# Allegro board parallella_gen1.brd (continued)
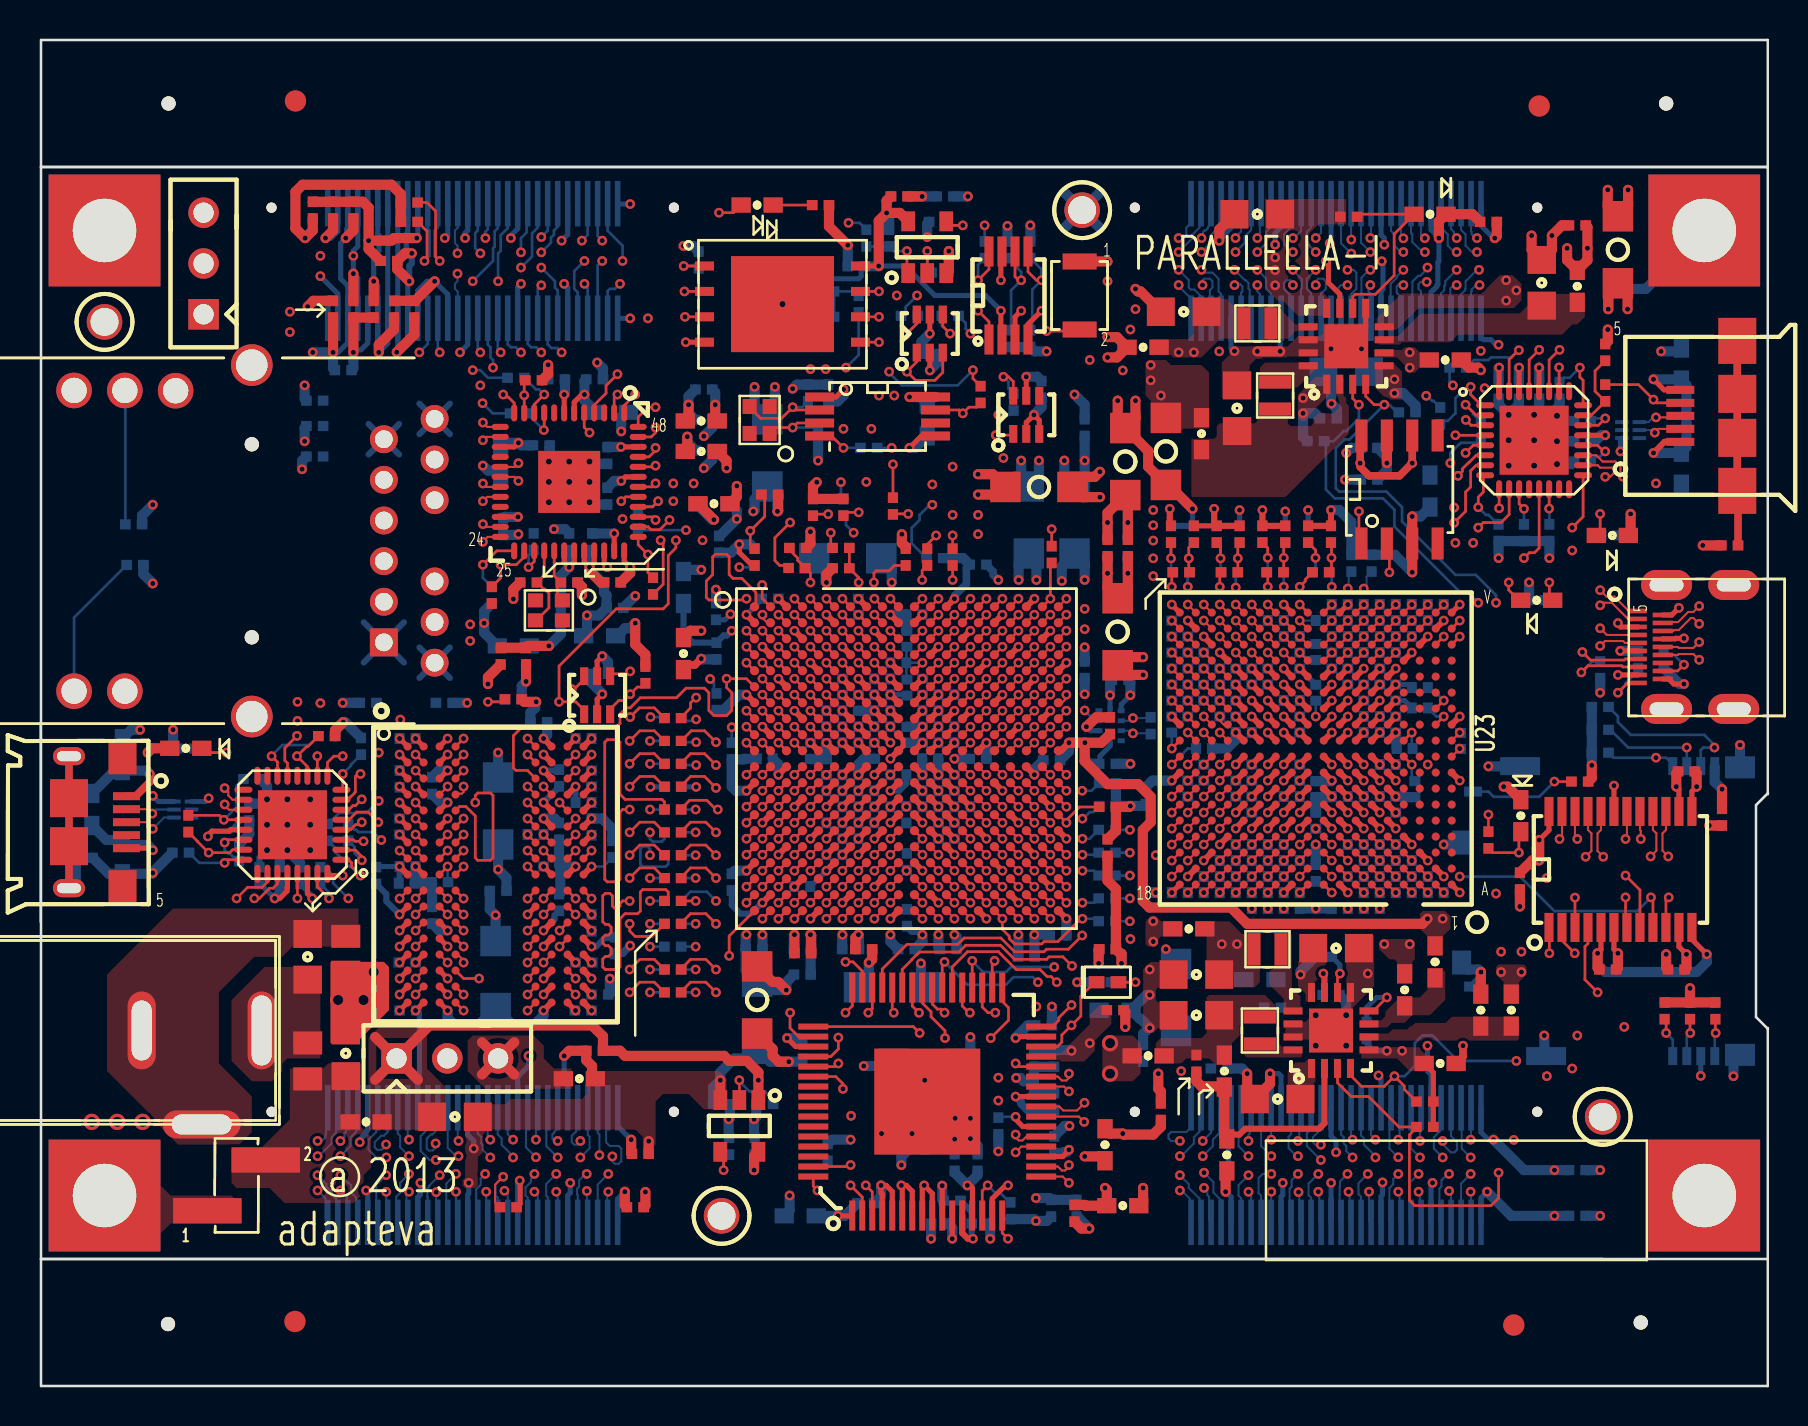
[diagram p0: board, top side]
## Routing (per net, layer and track width the routed paths; a pad name or vN(x,y) marks a point on that pad's centre or on a via; arc(x,y) is an arc through that point) (continued)
DDR_DQ17: length 22.1
  TOP w0.133: U20.M9 v1(24.39,22.78) ; U2.P3 v1(36.93,28.17)
  L10_SIG w0.108: v1(24.39,22.78) 24.14,22.78 22.41,24.51 22.41,26.54 23.04,27.17 27.86,27.17 29.12,28.43 34.08,28.43 34.22,28.57 37.14,28.57 37.26,28.44 37.26,28.3 37.14,28.17 v1(36.93,28.17)
DDR_DQ18: length 21.7
  TOP w0.133: U2.R3 v1(36.93,27.37) ; U20.N11 v1(25.99,21.98)
  L10_SIG w0.108: v1(25.99,21.98) 26.18,22.17 26.24,22.17 26.34,22.27 26.77,22.27 27.19,22.69 27.19,23.79 27,23.98 26.62,23.98 26.22,24.38 25.71,24.38 25.58,24.51 25.58,25.02 25.71,25.15 26.09,25.15 26.34,24.89 26.6,24.89 26.85,25.15 27.99,25.15 28.99,26.15 29.97,26.15 30.11,26.29 30.11,26.8 30.25,26.94 31.17,26.94 31.3,26.81 31.3,25.91 31.42,25.78 31.93,25.78 32.06,25.91 32.06,26.84 32.18,26.97 35.5,26.97 35.74,27.21 35.74,27.53 35.97,27.77 36.81,27.77 36.93,27.64 v1(36.93,27.37)
DDR_DQ19: length 21.7
  TOP w0.133: U2.R1 v1(35.33,27.37) ; U20.N9 v1(24.39,21.98)
  L10_SIG w0.108: v1(24.39,21.98) 24.79,22.38 26.15,22.38 26.47,22.7 26.47,23.16 26.34,23.29 26.34,23.85 26.22,23.98 24.92,23.98 24.79,24.11 24.79,24.77 24.66,24.89 23.93,24.89 23.8,25.02 23.8,25.4 23.93,25.53 25.58,25.53 25.71,25.65 25.71,25.91 25.83,26.04 26.22,26.04 26.34,25.91 26.34,25.65 26.47,25.53 27.87,25.53 28.12,25.78 28.12,26.04 29.31,27.23 34.34,27.23 34.48,27.37 v1(35.33,27.37)
DDR_DQ20: length 22
  TOP w0.133: U2.T4 v1(37.73,26.57) ; U20.R11 v1(26.79,20.38)
  L10_SIG w0.108: v1(37.73,26.57) 37.73,26.8 37.86,26.92 38.03,26.92 38.14,26.81 38.14,26.28 38.03,26.17 36.77,26.17 36.54,25.93 36.54,24.98 36.53,24.97 36.53,24.73 36.38,24.57 36.13,24.57 36.12,24.57 35.87,24.57 35.74,24.43 35.74,24.18 35.73,24.17 35.73,24 35.36,23.63 35.36,23.5 35.23,23.37 34.98,23.37 34.83,23.52 34.57,23.52 34.34,23.29 34.34,23.04 33.71,22.4 32.62,22.4 31.8,21.59 31.42,21.59 31.3,21.46 31.3,20.24 31.17,20.12 29.31,20.12 28.76,19.56 28.37,19.56 28.25,19.43 28.25,19.31 28.12,19.18 25.83,19.18 25.71,19.31 25.71,20.25 25.83,20.38 v1(26.79,20.38)
DDR_DQ21: length 22.2
  TOP w0.133: U20.T9 v1(24.39,19.58) ; U2.U4 v1(37.73,25.77)
  L10_SIG w0.108: v1(24.39,19.58) 23.8,18.99 23.8,18.34 24.44,17.7 29.69,17.7 32.06,20.07 32.06,20.65 32.63,21.23 32.66,21.23 32.69,21.26 33.46,21.26 34.38,22.17 35.5,22.17 35.73,22.4 35.73,22.73 35.97,22.97 36.29,22.97 36.53,23.2 36.53,23.53 36.77,23.77 37.09,23.77 37.33,24 37.33,24.33 37.57,24.57 37.9,24.57 38.14,24.8 38.14,25.37 v1(37.73,25.77)
DDR_DQ22: length 21.8
  TOP w0.133: U2.U2 v1(36.13,25.77) ; U20.T11 v1(26.79,19.58)
  L10_SIG w0.108: v1(26.79,19.58) 26.22,19.58 26.09,19.7 26.09,19.85 26.22,19.98 28.33,19.98 28.34,19.97 28.74,19.97 29.09,20.33 29.09,21.17 29.39,21.46 29.9,21.46 30.03,21.34 30.03,20.56 30.15,20.43 30.77,20.43 30.91,20.57 30.91,21.84 31.04,21.97 31.68,21.97 32.06,22.35 32.06,22.73 31.93,22.86 31.8,22.86 31.68,22.99 31.68,24.13 31.8,24.26 32.18,24.26 32.31,24.13 32.31,22.99 32.58,22.72 33.18,22.72 33.33,22.86 33.33,23.62 33.45,23.75 34.34,23.75 34.47,23.88 34.47,24.44 34.6,24.57 35.5,24.57 35.74,24.81 35.74,25.2 35.74,25.2 35.99,25.45 35.99,25.63 v1(36.13,25.77)
DDR_DQ23: length 21.8
  TOP w0.133: U2.U3 v1(36.93,25.77) ; U20.U9 v1(24.39,18.78)
  L10_SIG w0.108: v1(24.39,18.78) 24.18,18.57 24.18,18.41 24.51,18.08 24.74,18.08 24.95,18.29 25.63,18.29 25.83,18.08 28.68,18.08 28.88,18.29 28.88,18.67 29.01,18.8 29.26,18.8 29.39,18.67 29.39,18.27 29.5,18.16 29.72,18.16 29.94,18.38 29.94,18.63 29.67,18.9 29.67,19.08 29.87,19.28 30.05,19.28 30.38,18.95 30.51,18.95 31.68,20.12 31.68,20.88 32.37,21.57 33.39,21.57 34.78,22.97 35.5,22.97 35.74,23.2 35.74,23.53 35.97,23.77 36.3,23.77 36.54,24 36.54,24.33 36.77,24.57 37.09,24.57 37.33,24.8 37.33,25.37 v1(36.93,25.77)
DDR_DQ24: length 30.3
  TOP w0.133: U2.V1 v1(35.33,24.97) ; U20.M2 v1(18.79,22.78)
  L8_SIG w0.108: v1(35.33,24.97) 35.74,25.37 35.74,25.93 35.97,26.17 37.1,26.17 37.34,26.4 37.34,26.73 37.1,26.97 34.85,26.97 34.01,26.12 28.46,26.12 27.49,25.15 26.22,25.15 25.96,25.4 22.41,25.4 22.28,25.53 22.28,25.65 22.15,25.78 21.77,25.78 21.64,25.65 21.64,25.53 21.52,25.4 19.99,25.4 19.87,25.53 19.87,25.78 19.74,25.91 19.36,25.91 19.23,25.78 19.23,25.53 19.1,25.4 17.58,25.4 17.2,25.02 17.2,23.68 17.71,23.17 18.66,23.17 18.79,23.05 v1(18.79,22.78)
DDR_DQ25: length 30
  TOP w0.133: U2.Y3 v1(36.93,23.37) ; U20.M4 v1(21.19,22.78)
  L8_SIG w0.108: v1(36.93,23.37) 36.93,23.64 36.81,23.77 35.74,23.77 35.49,23.51 34.6,23.51 34.47,23.64 34.47,23.75 34.34,23.88 34.09,23.88 33.96,23.75 33.96,23.62 33.85,23.51 33.45,23.51 33.33,23.64 33.33,24.53 33.2,24.65 32.07,24.65 31.93,24.51 31.93,23.62 31.82,23.51 30.41,23.51 30.28,23.64 30.28,23.88 30.15,24 29.9,24 29.77,23.88 29.77,23.62 29.66,23.51 29.14,23.51 29.01,23.38 29.01,23.11 28.88,22.99 28.63,22.99 28.5,23.11 28.5,23.38 28.37,23.51 28.14,23.51 28.03,23.41 28.03,22.57 27.84,22.38 27.23,22.38 27.1,22.51 27.1,22.99 26.98,23.11 26.6,23.11 26.47,22.99 26.47,22.48 26.37,22.38 25.71,22.38 25.58,22.5 25.58,23.05 25.46,23.17 24.92,23.17 24.79,23.05 24.79,22.45 24.72,22.38 24.06,22.38 23.93,22.51 23.93,23.5 23.8,23.62 23.55,23.62 23.42,23.5 23.42,22.48 23.29,22.35 23.04,22.35 22.91,22.48 22.91,23 22.8,23.11 22.64,23.11 22.53,23 22.53,22.47 22.42,22.35 22.25,22.35 22.14,22.47 22.14,23.51 22.03,23.62 21.81,23.62 21.7,23.51 21.7,22.89 21.6,22.78 v1(21.19,22.78)
DDR_DQ26: length 30.1
  TOP w0.133: U20.N2 v1(18.79,21.98) ; U2.W1 v1(35.33,24.17)
  L8_SIG w0.108: v1(18.79,21.98) 19.06,21.98 19.18,21.85 19.18,20.83 19.31,20.7 19.49,20.7 19.61,20.83 19.61,24 19.36,24.26 19.36,24.51 19.48,24.64 19.86,24.64 19.99,24.51 19.99,24.13 20.14,23.98 21.83,23.98 21.94,24.09 21.94,24.51 22.06,24.64 22.46,24.64 22.59,24.51 22.59,24.09 22.69,23.98 23.12,23.98 23.23,24.09 23.23,24.51 23.36,24.64 23.75,24.64 23.88,24.51 23.88,24.09 23.99,23.98 25.58,23.98 25.71,24.11 25.71,24.38 25.83,24.51 26.09,24.51 26.22,24.38 26.22,24.11 26.34,23.98 28.88,23.98 29.01,24.11 29.01,24.88 29.14,25 30.91,25 31.06,24.85 31.06,23.98 31.17,23.88 31.42,23.88 31.55,24 31.55,24.88 31.68,25 34.34,25 34.47,24.88 34.47,24.3 34.89,23.88 35.1,23.88 35.33,24.11 v1(35.33,24.17)
DDR_DQ27: length 30.3
  TOP w0.133: U2.Y4 v1(37.73,23.37) ; v1(21.19,21.98) 21.19,21.98 U20.N4
  L8_SIG w0.108: v1(21.19,21.98) 21.64,21.52 21.64,20.91 21.77,20.78 21.98,20.78 22.09,20.89 22.09,21.48 22.2,21.59 22.41,21.59 22.52,21.48 22.52,20.89 22.63,20.78 22.84,20.78 22.95,20.89 22.95,21.48 23.06,21.59 23.28,21.59 23.38,21.48 23.38,20.89 23.49,20.78 25.58,20.78 25.69,20.89 25.69,21.1 25.8,21.21 26.01,21.21 26.12,21.1 26.12,20.89 26.23,20.78 27.77,20.78 28.37,21.39 28.37,21.72 28.63,21.97 28.88,21.97 29.01,21.84 29.01,21.72 29.15,21.57 30.9,21.57 31.01,21.68 31.01,22.12 31.12,22.23 31.34,22.23 31.44,22.12 31.44,21.68 31.55,21.57 31.76,21.57 31.87,21.68 31.87,22.73 32,22.86 32.18,22.86 32.3,22.73 32.3,21.68 32.41,21.57 32.96,21.57 33.19,21.81 33.19,22.14 32.9,22.42 32.9,22.56 33,22.66 33.14,22.66 33.72,22.09 34.86,22.09 34.98,21.97 34.98,21.34 35.11,21.21 35.36,21.21 35.49,21.34 35.49,21.96 35.61,22.09 37.21,22.09 37.34,22.21 37.34,23.24 37.46,23.37 v1(37.73,23.37)
DDR_DQ28: length 30.2
  TOP w0.133: U2.Y2 v1(36.13,23.37) ; U20.R2 v1(18.79,20.38)
  L8_SIG w0.108: v1(36.13,23.37) 35.73,22.97 34.4,22.97 34.04,22.61 33.71,22.61 33.33,22.99 33.33,23.24 33.06,23.51 32.45,23.51 32.06,23.11 31.25,23.11 31.14,23.01 31.14,22.64 31.03,22.53 28.7,22.53 27.75,21.58 27.23,21.58 27.1,21.71 27.1,21.97 26.98,22.1 26.6,22.1 26.47,21.97 26.47,21.71 26.34,21.58 24.18,21.58 23.72,22.05 21.84,22.05 21.52,22.37 20.14,22.37 19.99,22.23 19.99,18.8 19.48,18.29 17.71,18.29 17.45,18.54 17.45,19.05 17.58,19.18 18.98,19.18 19.18,19.38 19.18,20.25 19.06,20.38 v1(18.79,20.38)
DDR_DQ29: length 30.4
  TOP w0.133: U2.W3 v1(36.93,24.17) ; U20.T4 v1(21.19,19.58)
  L8_SIG w0.108: v1(36.93,24.17) 37.33,24.57 38.7,24.57 38.94,24.33 38.94,24 39.17,23.77 39.49,23.77 39.73,23.53 39.73,23.16 39.43,22.86 39.43,21.72 38.46,20.75 37.06,20.75 35.36,19.05 35.36,18.67 34.98,18.29 31.8,18.29 31.55,18.54 31.55,19.56 31.42,19.69 31.04,19.69 30.91,19.56 30.91,17.91 30.53,17.53 26.98,17.53 26.86,17.64 23.94,17.64 22.91,18.67 22.09,18.67 v1(21.19,19.58)
DDR_DQ30: length 30.1
  TOP w0.133: U2.V2 v1(36.13,24.97) ; U20.T2 v1(18.79,19.58)
  L8_SIG w0.108: v1(18.79,19.58) 18.38,19.98 18.39,19.99 18.39,22.14 18.62,22.37 18.94,22.37 19.18,22.61 19.18,23.74 18.94,23.98 17.71,23.98 17.58,24.11 17.58,24.89 17.71,25.02 18.09,25.02 18.21,24.89 18.98,24.89 19.1,25.02 20.37,25.02 20.5,24.89 21.52,24.89 21.64,25.02 24.06,25.02 24.18,24.89 25.07,24.89 25.2,25.02 25.59,25.02 25.83,24.77 28.37,24.77 28.5,24.9 28.5,25.67 28.63,25.8 30.67,25.8 30.82,25.65 32.49,25.65 32.63,25.8 34.11,25.8 34.34,26.04 34.72,26.04 34.85,25.91 34.85,24.77 34.9,24.72 34.9,24.72 35.05,24.57 35.73,24.57 v1(36.13,24.97)
DDR_DQ31: length 30.3
  TOP w0.133: U2.V3 v1(36.93,24.97) ; U20.U4 v1(21.19,18.78)
  L8_SIG w0.108: v1(21.19,18.78) 21.67,18.29 22.79,18.29 23.93,17.14 26.6,17.14 27.23,16.51 27.99,16.51 28.37,16.89 29.9,16.89 30.28,16.51 30.91,16.51 32.18,17.78 35.11,17.78 36.63,19.3 37.52,19.3 40.53,22.32 40.53,23.53 40.29,23.77 39.97,23.77 39.73,24.01 39.73,24.33 39.49,24.57 39.17,24.57 38.93,24.81 38.93,25.23 38.79,25.37 37.34,25.37 v1(36.93,24.97)
DDR_DQS_N0: length 31.4
  TOP w0.102: v1(36.13,38.57) 36.13,38.4 36.37,38.17 U2.B2 ; v1(21.19,29.98) 21.19,29.7 21.1,29.62 20.83,29.62 U20.D4
  L3_SIG w0.095: v1(36.13,38.57) 36.1,38.61 35.85,38.61 35.72,38.48 35.72,38.27 35.61,38.16 34.28,38.16 34.09,38.35 34.09,38.93 33.96,39.05 33.77,39.05 33.64,38.93 33.64,38.54 33.52,38.42 33.39,38.42 33.26,38.54 33.26,38.94 33.14,39.07 32.57,39.07 32.06,39.57 31.55,39.57 31.48,39.51 31.48,39.37 31.96,38.9 31.96,38.29 31.65,37.99 30.52,37.99 30.22,38.29 30.22,38.67 30.09,38.8 29.52,38.8 29.39,38.67 29.39,38.32 29.38,38.31 29.38,38.15 29.08,37.86 28.74,37.86 28.44,38.16 28.44,39.26 28.33,39.37 28.17,39.37 28.05,39.26 28.05,38.08 27.75,37.77 26.9,37.77 26.6,38.08 26.6,38.39 26.5,38.48 26.29,38.48 25.96,38.15 25.96,37.74 25.69,37.47 25.28,37.47 25.01,37.2 25.01,36.64 24.69,36.32 24.13,36.32 23.1,35.29 23.1,33.93 22.2,33.03 22.2,30.28 21.9,29.98 21.31,29.98 v1(21.19,29.98)
DDR_DQS_N1: length 19.7
  TOP w0.102: v1(24.39,29.98) U20.D9 ; U2.F2 v1(36.13,35.37)
  L8_SIG w0.095: v1(36.13,35.37) 34.91,35.37 34.32,34.77 33.45,34.77 33.11,35.11 33,35.23 32.49,35.23 32.07,34.81 32.07,29.97 31.94,29.84 31.47,29.84 31.35,29.97 31.35,30.35 30.99,30.71 29.07,30.71 28.5,30.14 28.12,30.14 27.87,30.39 26.5,30.39 26.22,30.1 25.71,30.1 25.42,30.39 24.79,30.39 v1(24.39,29.98)
DDR_DQS_N2: length 21.8
  TOP w0.102: U2.T2 v1(36.13,26.57) ; U20.P9 v1(24.39,21.18)
  L10_SIG w0.095: v1(24.39,21.18) 24.79,20.77 27.8,20.77 28.04,21.01 28.5,21.01 28.93,21.44 28.93,22.1 29.25,22.41 30.91,22.41 31.22,22.72 31.22,23.56 30.91,23.87 29.01,23.87 28.88,23.99 28.88,24.58 29.01,24.7 34.28,24.7 34.6,25.02 34.6,25.15 34.81,25.36 35.52,25.36 35.74,25.58 35.74,25.96 36.04,26.26 36.04,26.48 v1(36.13,26.57)
DDR_DQS_N3: length 30
  TOP w0.102: v1(21.19,21.18) 21.19,21.29 20.89,21.58 U20.P4 ; U2.W4 v1(37.73,24.17)
  L8_SIG w0.095: v1(21.19,21.18) 21.11,21.18 20.96,21.02 20.96,20.79 22.42,19.32 23.19,19.32 24.18,18.33 30.03,18.33 30.15,18.45 30.15,18.8 30.03,18.92 29.01,18.92 28.76,19.18 28.76,20.04 29.15,20.43 31.93,20.43 32.23,20.13 32.23,19.43 32.44,19.23 34.34,19.23 35.05,19.94 35.05,20.19 36.44,21.58 38.39,21.58 38.62,21.8 38.62,21.97 38.49,22.1 38.28,22.1 38.14,22.23 38.14,24.13 38.02,24.26 37.82,24.26 v1(37.73,24.17)
DDR_DQS_P0: length 32
  TOP w0.102: U20.D3 19.99,29.58 v1(20.39,29.98) ; U2.C2 v1(36.13,37.77)
  L3_SIG w0.095: v1(36.13,37.77) 36.52,38.16 36.52,38.73 36.28,38.98 34.7,38.98 34.7,38.99 34.54,38.99 34.15,39.37 32.69,39.37 32.18,39.88 31.42,39.88 31.18,39.63 31.18,39.24 31.65,38.77 31.65,38.42 31.52,38.29 30.65,38.29 30.52,38.42 30.52,38.8 30.22,39.1 29.39,39.1 29.09,38.8 29.09,38.45 29.08,38.44 29.08,38.28 28.96,38.16 28.87,38.16 28.74,38.29 28.74,39.38 28.45,39.67 28.04,39.67 27.75,39.38 27.75,38.2 27.62,38.07 27.03,38.07 26.9,38.2 26.9,38.51 26.63,38.79 26.16,38.79 25.66,38.28 25.66,37.87 25.56,37.77 25.15,37.77 24.7,37.32 24.7,36.77 24.56,36.63 24.01,36.63 22.8,35.42 22.8,34.05 21.9,33.15 21.9,30.41 21.77,30.28 21.43,30.28 21.35,30.37 20.78,30.37 v1(20.39,29.98)
DDR_DQS_P1: length 20
  TOP w0.102: U2.G2 v1(36.13,34.57) ; v1(25.19,29.98) U20.D10
  L8_SIG w0.095: v1(36.13,34.57) 36.13,34.66 35.73,35.06 35.04,35.06 34.44,34.47 33.33,34.47 32.99,34.81 32.87,34.92 32.61,34.92 32.37,34.69 32.37,29.85 32.07,29.54 31.35,29.54 31.04,29.85 31.04,30.23 30.86,30.4 29.2,30.4 28.63,29.83 28.12,29.83 27.87,29.58 26.6,29.58 26.37,29.8 26.37,29.79 25.8,29.79 25.57,29.57 24.94,29.57 24.82,29.69 24.82,29.86 24.94,29.98 v1(25.19,29.98)
DDR_DQS_P2: length 21.9
  TOP w0.102: v1(25.19,21.18) U20.P10 ; U2.R2 v1(36.13,27.37)
  L10_SIG w0.095: v1(36.13,27.37) 36.15,27.36 36.39,27.36 36.5,27.24 36.5,27.08 36.39,26.96 35.98,26.96 35.74,26.73 35.74,26.72 35.74,26.72 35.74,26.42 35.5,26.18 35.2,26.18 35.18,26.16 35.17,26.16 35.01,26 35.01,25.99 34.29,25.27 34.29,25.15 34.16,25.01 28.88,25.01 28.58,24.7 28.58,23.87 28.88,23.56 30.79,23.56 30.91,23.43 30.91,22.84 30.79,22.72 29.12,22.72 28.63,22.23 28.63,21.56 28.37,21.31 28.07,21.31 27.79,21.59 26.64,21.59 26.23,21.18 v1(25.19,21.18)
DDR_DQS_P3: length 30.3
  TOP w0.102: v1(20.39,21.18) 20.39,21.18 U20.P3 ; U2.W5 v1(38.53,24.17)
  L8_SIG w0.095: v1(20.39,21.18) 20.59,20.98 20.59,20.83 20.65,20.76 20.65,20.66 22.3,19.02 23.06,19.02 24.06,18.02 30.15,18.02 30.46,18.33 30.46,18.92 30.15,19.23 29.14,19.23 29.06,19.3 29.06,19.91 29.28,20.13 31.8,20.13 31.93,20 31.93,19.3 32.31,18.92 34.47,18.92 35.36,19.81 35.36,20.07 36.57,21.27 38.52,21.27 38.92,21.68 38.92,23.61 38.66,23.87 38.66,24.04 v1(38.53,24.17)
DDR_ODT: length 19.6
  TOP w0.133: U20.H3 19.99,26.38 v1(20.39,26.78)
  L3_SIG w0.108: v1(20.39,26.78) 20.79,26.37 21.35,26.37 21.71,26.02 21.71,25.77 21.22,25.28 20.14,25.28 19.78,24.92 19.78,21.98 20.18,21.58 29.83,21.58 30.51,20.9 v1(30.51,20.83)
  BOTTOM w0.133: R320.2 v1(30.51,20.83)
DDR_RAS_L: length 18.3
  TOP w0.133: U20.G4 21.19,27.58 v1(21.19,27.58) ; R324.2 30.72,20.19 30,20.19 v1(29.49,19.69)
  L10_SIG w0.108: v1(29.49,19.69) 28.15,18.34 26.22,18.34 25.37,19.18 25.02,19.18 24.79,19.41 24.79,19.77 24.57,19.98 24.21,19.98 22.03,22.15 22.03,26.73 v1(21.19,27.58)
DDR_RST_L: length 44.2
  TOP w0.133: U20.H1 v1(17.99,26.78) ; U2.B4 v1(37.73,38.57)
  L8_SIG w0.108: v1(17.99,26.78) 15.82,26.78 14.47,28.13 14.47,32.63 v1(12.88,34.21) ; v1(37.73,38.57) 37.34,38.97 36.78,38.97 36.54,39.21 36.54,39.88 36.52,39.89 36.52,40.36 35.93,40.94 v1(34.98,40.94)
  L10_SIG w0.108: v1(37.73,38.57) 37.34,38.97 34.91,38.97 34.84,39.04 34.26,39.04 33.88,38.66 31.55,38.66 30.53,37.64 25.07,37.64 23.93,36.5 22.02,36.5 20.37,34.85 13.52,34.85 v1(12.88,34.21)
  BOTTOM w0.133: v1(34.98,40.94) 35.65,40.94 R111.1
DDR_VREF: length 26.9
  TOP w0.133: R66.2 23.13,34.21 v1(22.41,34.21) ; U2.H6 v1(39.33,33.77) ; U2.P6 v1(39.33,28.17)
  L5_SIG w0.108: v1(39.33,33.77) 39.74,33.37 39.74,28.57 v1(39.33,28.17)
  L10_SIG w0.108: v1(22.41,34.21) 23.48,33.13 29.27,33.13 29.35,33.05 30.7,33.05 31.54,33.9 34.47,33.9 34.74,34.17 38.94,34.17 v1(39.33,33.77)
  BOTTOM w0.133: v1(22.41,34.21) 23.13,34.21 R66.2
DDR_WE_L: length 18.8
  TOP w0.133: v1(21.19,25.98) 20.79,25.58 U20.J4 ; R322.2 30.72,21.34 30,21.34 v1(29.49,20.83)
  L3_SIG w0.108: v1(29.49,20.83) 27.8,20.83 27.75,20.78 19.96,20.78 19.48,21.26 19.48,25.07 19.99,25.58 U20.J4 v1(21.19,25.98)
DSP_FLAG: length 78.2
  TOP w0.133: R1.1 v1(72.44,28.58)
  TOP w0.305: U23.E12 v1(61.41,27.88)
  L3_SIG w0.108: v1(55.81,26.54) 56.05,26.54 56.19,26.68 57.57,26.68 57.81,26.92 57.81,27.24 58.04,27.47 61,27.47 v1(61.41,27.88) ; v1(72.44,28.58) 71.94,28.58 71.68,28.32 68.01,28.32 67.97,28.28 64.15,28.28 63.81,27.94 v1(63.81,27.88)
  L8_SIG w0.108: v1(55.81,26.54) 55.17,27.18 55.17,28.12 54.73,28.56 54.22,28.56 53.9,28.88 52.25,28.88 51.76,29.37 50.38,29.37 50.14,29.6 50.14,29.93 49.9,30.17 46.38,30.17 46.14,30.4 46.14,31.54 46.37,31.77 46.7,31.77 46.93,32.01 46.93,34.04 47.06,34.17 47.61,34.17 47.73,34.29 47.73,34.77 47.93,34.97 48.3,34.97 48.53,35.21 48.53,46.06 v1(48.19,46.41) ; v1(61.41,27.88) 61.8,28.27 63.41,28.27 v1(63.81,27.88)
  L10_SIG w0.108: v1(48.19,46.41) 47.5,46.41 47.3,46.61 46.79,46.61 46.15,47.24 44.88,47.24 44,48.13 42.34,48.13 41.71,48.77 41.2,48.77 40.69,49.28 39.04,49.28 37.9,50.42 36.76,50.42 35.87,51.31 31.04,51.31 30.53,51.82 28.5,51.82 28.16,52.16 24.52,52.16 v1(24.06,51.69)
  BOTTOM w0.133: J13.23 23.39,52.1 23.55,51.94 23.8,51.94 v1(24.06,51.69)
DSP_MVDD: length 0.6
  TOP w0.305: U23.F8 v1(65.41,28.68)
DSP_MVSS: length 0.6
  TOP w0.305: U23.F7 v1(66.21,28.68)
DSP_RESET_L: length 30.5
  TOP w0.133: U2.G14 v1(46.54,34.57)
  TOP w0.305: U23.F11 v1(62.21,28.68)
  L3_SIG w0.108: v1(62.21,28.68) 61.8,28.27 61.8,26.91 61.57,26.68 58.85,26.68 58.61,26.44 58.61,26.12 58.37,25.88 57.25,25.88 57,25.63 57,25.31 56.77,25.08 56.21,25.08 v1(55.81,24.68)
  L8_SIG w0.108: v1(46.54,34.57) 46.34,34.38 46.34,34.32 46.13,34.11 46.13,33.61 45.9,33.37 45.57,33.37 45.34,33.14 45.34,30.33 45.5,30.17 45.9,30.17 46.13,29.93 46.13,29.54 46.3,29.37 49.1,29.37 49.34,29.13 49.34,28.8 49.58,28.57 49.9,28.57 50.14,28.33 50.14,28 50.38,27.77 52.28,27.77 52.76,28.24 54.64,28.24 54.91,27.98 54.91,25.57 v1(55.81,24.68)
DSP_XID0: length 50
  L5_SIG w0.108: v1(54.54,52.83) 53.9,52.83 53.65,53.09 51.11,53.09 50.85,53.34 48.82,53.34 48.57,53.59 48.57,54.03 48.34,54.25 46,54.25 45.77,54.03 41.2,54.03 40.57,54.66 36.12,54.66 35.44,53.98 26.09,53.98 25.47,54.59 25.47,55.53 v1(25.07,55.93)
  L8_SIG w0.108: v1(57.41,39.97) 57.01,40.36 57.01,46.35 55.55,47.82 55.55,49.28 55.04,49.78 55.04,52.32 v1(54.54,52.83)
  BOTTOM w0.133: v1(57.41,39.97) 57.39,39.98 57.39,40.59 R152.1 ; v1(25.07,55.93) 25.75,55.25 25.75,54.93 25.89,54.79 J13.13
DSP_XID1: length 50
  L5_SIG w0.108: v1(55.68,43.8) 56.19,43.29 63.68,43.29 65.08,41.9 65.08,40.44 v1(64.61,39.97)
  L10_SIG w0.108: v1(26.09,51.69) 28.12,51.69 28.37,51.43 30.37,51.43 30.88,50.93 35.6,50.93 36.25,50.28 36.25,49.83 36.63,49.45 38.28,49.45 38.81,48.92 40.54,48.92 41.05,48.41 41.6,48.41 42.26,47.75 43.87,47.75 44.77,46.85 46.07,46.85 46.07,46.82 46.66,46.23 47.04,46.23 49.08,44.2 51.11,44.2 51.87,43.43 51.87,42.93 52.38,42.42 54.54,42.42 55.3,43.18 55.3,43.42 v1(55.68,43.8)
  BOTTOM w0.133: v1(26.09,51.69) 25.87,51.9 25.58,51.9 25.39,52.09 J13.15 ; R153.1 64.61,40.56 v1(64.61,39.97)
DSP_XID2: length 51.2
  TOP w0.133: v1(59.01,39.97) 59.01,40.63 R154.1
  L5_SIG w0.108: v1(58.98,51.74) 58.3,51.05 56.82,51.05 55.93,51.94 51.28,51.94 50.98,52.25 47.3,52.25 46.98,51.93 43.23,51.93 42.47,52.69 41.58,52.69 41.47,52.58 32.69,52.58 32.57,52.7 31.68,52.7 31.42,52.96 29.19,52.96 28.55,53.59 26.01,53.59 25.07,54.53 v1(25.07,55.04)
  L8_SIG w0.108: v1(59.01,39.97) 58.94,39.97 58.65,40.26 58.65,41.69 59.17,42.21 59.17,51.55 v1(58.98,51.74)
  BOTTOM w0.133: J13.17 24.89,54.86 v1(25.07,55.04)
DSP_XID3: length 48.8
  TOP w0.133: v1(63.01,39.97) 63.28,40.24 63.28,40.33 R155.1
  L5_SIG w0.108: v1(63.01,39.97) 63.01,41.87 61.97,42.91 55.81,42.91 v1(55.68,43.04)
  L10_SIG w0.108: v1(25.07,51.69) 25.45,51.69 25.96,51.18 26.85,51.18 27.36,50.67 28.12,50.67 28.5,51.05 30.18,51.05 30.69,50.55 34.27,50.55 36.38,48.44 40.34,48.44 41.38,47.4 43.72,47.4 44.63,46.48 45.9,46.48 46.28,46.1 46.28,45.47 46.66,45.09 47.3,45.09 48.58,43.8 50.99,43.8 51.49,43.31 51.49,42.8 52.25,42.04 54.66,42.04 55.3,42.67 55.31,42.67 v1(55.68,43.04)
  BOTTOM w0.133: J13.19 24.39,52.11 24.56,51.94 24.82,51.94 v1(25.07,51.69)
DSP_YID0: length 57.2
  L3_SIG w0.108: v1(54.79,53.85) 55.17,53.47 55.17,51.56 54.92,51.31 54.92,49.89 55.55,49.25 55.55,46.61 55.17,46.23 55.17,41.02 55.68,40.51 v1(55.68,40.5)
  L5_SIG w0.108: v1(25.07,56.69) 25.77,56 25.77,54.81 26.22,54.36 31.8,54.36 31.93,54.23 32.57,54.23 32.69,54.36 35.18,54.36 35.99,55.17 44,55.17 44.6,54.57 48.48,54.57 48.82,54.23 50.35,54.23 51.11,53.47 54.41,53.47 v1(54.79,53.85) ; v1(55.68,40.5) 56.12,40.94 56.12,41.58 56.44,41.9 59.17,41.9 59.49,41.58 59.49,40.75 59.81,40.44 v1(59.81,39.93)
  BOTTOM w0.133: J13.14 25.89,57.97 25.71,57.78 25.71,57.58 25.55,57.43 25.55,57.18 v1(25.07,56.69) ; v1(59.81,39.93) 59.81,40.59 R172.1
DSP_YID1: length 52.5
  TOP w0.133: R173.1 56.61,40.64 v1(56.61,39.97)
  L5_SIG w0.108: v1(25.07,57.45) 26.09,56.44 26.09,55.88 26.72,55.24 26.72,54.86 26.98,54.61 27.74,54.61 28.63,55.5 28.63,56.52 28.88,56.77 29.52,56.77 29.77,56.52 40.96,56.52 41.72,57.28 43.61,57.28 43.87,57.02 43.87,56.64 44.15,56.36 44.4,56.36 44.88,55.88 46.28,55.88 46.41,56.01 50.22,56.01 50.95,55.27 53.37,55.27 v1(53.39,55.24)
  L8_SIG w0.108: v1(56.61,39.97) 56.12,40.45 56.12,43.69 56.11,43.7 56.11,46.61 54.39,48.32 54.39,49.89 54.66,50.16 54.66,51.89 54.03,52.52 54.03,54.61 v1(53.39,55.24)
  BOTTOM w0.133: J13.16 25.39,57.78 v1(25.07,57.45)
DSP_YID2: length 58.3
  L5_SIG w0.108: v1(55.68,42.28) 56.01,42.61 61.76,42.61 62.66,41.71 62.66,40.42 v1(62.21,39.97) ; v1(54.16,50.79) 53.66,50.29 51.98,50.29 51.49,50.79 49.57,50.79 49.49,50.87 47.62,50.87 47.04,50.29 41.96,50.29 40.82,51.43 40.31,51.43 39.93,51.82 37.52,51.82 37.14,51.43 31.8,51.43 30.91,52.32 28.5,52.32 27.99,52.83 25.38,52.83 23.66,54.55 23.66,55.53 v1(24.06,55.93)
  L8_SIG w0.108: v1(55.68,42.28) 54.95,43.01 54.95,46.96 53.39,48.51 53.39,50.04 53.77,50.41 53.78,50.41 v1(54.16,50.79)
  BOTTOM w0.133: v1(62.21,39.97) 62.21,40.68 R174.1 ; v1(24.06,55.93) 24.61,56.49 24.61,57.65 24.89,57.93 J13.18
DSP_YID3: length 55.7
  TOP w0.133: R175.1 61.41,40.64 v1(61.41,39.97)
  L5_SIG w0.108: v1(52.5,51.31) 52.49,51.3 43.36,51.3 42.73,51.93 42.28,51.93 42.09,51.74 40.57,51.74 40.11,52.2 37.26,52.2 36.87,51.8 31.95,51.8 31.15,52.59 28.85,52.59 28.23,53.21 25.82,53.21 24.56,54.47 24.56,56.18 v1(24.06,56.69) ; v1(55.68,41.39) 55.68,41.58 56.31,42.21 61.27,42.21 61.81,41.67 61.81,40.85 61.41,40.45 v1(61.41,39.97)
  L8_SIG w0.108: v1(52.5,51.31) 53.01,50.8 53.01,47.75 53.9,46.86 53.9,42.67 54.28,42.29 54.78,42.29 v1(55.68,41.39)
  BOTTOM w0.133: v1(24.06,56.69) 24.06,57.4 24.34,57.69 24.34,59.07 J13.20
ETH_MDC: length 19.9
  TOP w0.133: v1(42.66,46.09) R60.2 ; U9.4 27.72,49.05 28.31,49.64 28.31,50.03 v1(28.88,50.6)
  L10_SIG w0.108: v1(42.66,46.09) 41.76,46.99 40.87,46.99 40.44,47.42 39.8,47.42 39.6,47.62 38.15,47.62 37.95,47.42 36.76,47.42 34.01,50.16 30.46,50.16 30.03,50.6 v1(28.88,50.6)
ETH_MDIO: length 31.2
  TOP w0.133: U2.C11 v1(44.14,37.77) ; v1(27.49,47.68) 27.22,47.94 U9.5
  L8_SIG w0.108: v1(44.63,44.07) 44.63,43.18 44.38,42.93 44.38,42.04 44.54,41.87 44.54,38.17 v1(44.14,37.77)
  L10_SIG w0.108: v1(27.49,47.68) 28.37,48.56 30.61,48.56 30.62,48.55 30.95,48.55 30.97,48.56 31.37,48.56 32.06,47.88 33.02,47.88 33.04,47.9 33.58,47.9 34.36,47.12 34.98,47.12 36.32,45.77 41.46,45.77 42.73,44.5 44.07,44.5 44.5,44.07 v1(44.63,44.07)
  BOTTOM w0.133: v1(44.63,44.07) 44.5,44.07 44,43.56 44,43.31 43.6,42.91 43.6,42.14 R61.1
ETH_RXCLK: length 22.9
  TOP w0.133: U2.B17 v1(48.94,38.57)
  L10_SIG w0.108: v1(32.31,42.8) 32.23,42.72 32.18,42.72 32.69,43.23 33.2,43.23 33.58,42.85 34.8,42.85 36.2,41.45 43.17,41.45 43.49,41.14 47.74,41.14 48.33,40.55 48.33,39.88 48.53,39.67 48.53,38.97 v1(48.94,38.57)
  BOTTOM w0.133: R71.1 29.99,42.8 v1(32.31,42.8)
ETH_RXCTL: length 26.8
  TOP w0.133: U2.D13 v1(45.74,36.97) ; R297.1 31.17,40.09 31.17,42.16 v1(31.04,42.29)
  L3_SIG w0.108: v1(45.74,36.97) 46.14,37.37 46.14,41.82 v1(46.92,42.6)
  L5_SIG w0.108: v1(46.92,42.6) 46.54,42.98 45.46,42.98 45.22,42.74 45.22,42.36 44.95,42.09 39.68,42.09 39.17,41.58 31.75,41.58 v1(31.04,42.29)
ETH_RXD0: length 29.1
  TOP w0.133: U2.D11 v1(44.14,36.97) ; U9.38 30.42,42.96 30.56,42.82 31,42.82 v1(31.49,43.31)
  L5_SIG w0.108: v1(45.65,43.56) 45.2,43.12 43.11,43.12 42.98,43.25 42.98,44.07 42.85,44.2 42.53,44.2 42.41,44.07 42.41,43.25 42.28,43.12 39.24,43.12 39.04,42.93 39.04,42.45 38.79,42.2 35.45,42.2 35.05,42.6 34.54,42.6 34.47,42.53 34.47,42.04 34.34,41.91 33.84,41.91 33.64,42.1 33.64,42.8 33.47,42.98 33.33,42.98 33,43.31 v1(31.49,43.31)
  L8_SIG w0.108: v1(44.14,36.97) 44.54,37.37 45.1,37.37 45.33,37.61 45.33,39.81 45.14,40.01 45.14,41.27 46.15,42.29 46.15,43.05 v1(45.65,43.56)
ETH_RXD1: length 27.8
  TOP w0.133: U2.A16 v1(48.14,39.37) ; v1(30.79,43.31) 30.79,43.38 30.71,43.46 U9.39
  L10_SIG w0.108: v1(30.79,43.31) 30.74,43.36 29.77,43.36 29.64,43.23 29.64,42.67 29.14,42.16 28.5,42.16 28.37,42.04 28.37,41.66 28.5,41.53 29.52,41.53 30.15,42.16 30.53,42.16 30.85,41.85 32.55,41.85 32.68,41.97 32.68,42.58 32.84,42.74 33.31,42.74 34.65,41.4 35.49,41.4 35.82,41.07 42.98,41.07 43.23,40.82 47.17,40.82 47.42,40.56 47.42,40.08 v1(48.14,39.37)
ETH_RXD2: length 29.6
  TOP w0.133: U9.41 29.29,44.46 v1(29.07,44.25) ; U2.F15 v1(47.34,35.37)
  L5_SIG w0.108: v1(29.07,44.25) 29.47,44.64 32.05,44.64 32.5,44.2 41.33,44.2 42.22,45.09 v1(44.63,45.09)
  L8_SIG w0.108: v1(47.34,35.37) 46.94,35.77 46.38,35.77 46.14,36.01 46.14,41.15 46.15,41.16 46.15,41.53 46.41,41.78 46.41,43.69 45.65,44.45 45.14,44.45 44.5,45.09 v1(44.63,45.09)
ETH_RXD3: length 27.4
  TOP w0.133: U2.A15 v1(47.34,39.37) ; U9.42 30.61,44.96 v1(30.79,45.14)
  L3_SIG w0.108: v1(30.79,45.14) 31.28,44.64 31.93,44.64 33.14,43.44 v1(33.14,42.29)